# Allegro board LED_FIN.brd (continued)
## Placement (name value [footprint] x y rotation side) (continued)
D1019  0603_LED  [0603_SINGLE]  93.25 326 0 top
D1020  0603_LED  [0603_SINGLE]  95.25 326 0 top
D1021  0603_LED  [0603_SINGLE]  37.25 324 0 top
D1022  0603_LED  [0603_SINGLE]  39.25 324 0 top
D1023  0603_LED  [0603_SINGLE]  41.25 324 0 top
D1024  0603_LED  [0603_SINGLE]  43.25 324 0 top
D1025  0603_LED  [0603_SINGLE]  45.25 324 0 top
D1026  0603_LED  [0603_SINGLE]  47.25 324 0 top
D1027  0603_LED  [0603_SINGLE]  49.25 324 0 top
D1028  0603_LED  [0603_SINGLE]  51.25 324 0 top
D1029  0603_LED  [0603_SINGLE]  53.25 324 0 top
D1030  0603_LED  [0603_SINGLE]  55.25 324 0 top
D1031  0603_LED  [0603_SINGLE]  57.25 324 0 top
D1032  0603_LED  [0603_SINGLE]  59.25 324 0 top
D1033  0603_LED  [0603_SINGLE]  61.25 324 0 top
D1034  0603_LED  [0603_SINGLE]  63.25 324 0 top
D1035  0603_LED  [0603_SINGLE]  65.25 324 0 top
D1036  0603_LED  [0603_SINGLE]  67.25 324 0 top
D1037  0603_LED  [0603_SINGLE]  69.25 324 0 top
D1038  0603_LED  [0603_SINGLE]  71.25 324 0 top
D1039  0603_LED  [0603_SINGLE]  73.25 324 0 top
D1040  0603_LED  [0603_SINGLE]  75.25 324 0 top
D1041  0603_LED  [0603_SINGLE]  77.25 324 0 top
D1042  0603_LED  [0603_SINGLE]  79.25 324 0 top
D1043  0603_LED  [0603_SINGLE]  81.25 324 0 top
D1044  0603_LED  [0603_SINGLE]  83.25 324 0 top
D1045  0603_LED  [0603_SINGLE]  85.25 324 0 top
D1046  0603_LED  [0603_SINGLE]  87.25 324 0 top
D1047  0603_LED  [0603_SINGLE]  89.25 324 0 top
D1048  0603_LED  [0603_SINGLE]  91.25 324 0 top
D1049  0603_LED  [0603_SINGLE]  93.25 324 0 top
D1050  0603_LED  [0603_SINGLE]  95.25 324 0 top
D1051  0603_LED  [0603_SINGLE]  37.25 322 0 top
D1052  0603_LED  [0603_SINGLE]  39.25 322 0 top
D1053  0603_LED  [0603_SINGLE]  41.25 322 0 top
D1054  0603_LED  [0603_SINGLE]  43.25 322 0 top
D1055  0603_LED  [0603_SINGLE]  45.25 322 0 top
D1056  0603_LED  [0603_SINGLE]  47.25 322 0 top
D1057  0603_LED  [0603_SINGLE]  49.25 322 0 top
D1058  0603_LED  [0603_SINGLE]  51.25 322 0 top
D1059  0603_LED  [0603_SINGLE]  53.25 322 0 top
D1060  0603_LED  [0603_SINGLE]  55.25 322 0 top
D1061  0603_LED  [0603_SINGLE]  57.25 322 0 top
D1062  0603_LED  [0603_SINGLE]  59.25 322 0 top
D1063  0603_LED  [0603_SINGLE]  61.25 322 0 top
D1064  0603_LED  [0603_SINGLE]  63.25 322 0 top
D1065  0603_LED  [0603_SINGLE]  65.25 322 0 top
D1066  0603_LED  [0603_SINGLE]  67.25 322 0 top
D1067  0603_LED  [0603_SINGLE]  69.25 322 0 top
D1068  0603_LED  [0603_SINGLE]  71.25 322 0 top
D1069  0603_LED  [0603_SINGLE]  73.25 322 0 top
D1070  0603_LED  [0603_SINGLE]  75.25 322 0 top
D1071  0603_LED  [0603_SINGLE]  77.25 322 0 top
D1072  0603_LED  [0603_SINGLE]  79.25 322 0 top
D1073  0603_LED  [0603_SINGLE]  81.25 322 0 top
D1074  0603_LED  [0603_SINGLE]  83.25 322 0 top
D1075  0603_LED  [0603_SINGLE]  85.25 322 0 top
D1076  0603_LED  [0603_SINGLE]  87.25 322 0 top
D1077  0603_LED  [0603_SINGLE]  89.25 322 0 top
D1078  0603_LED  [0603_SINGLE]  91.25 322 0 top
D1079  0603_LED  [0603_SINGLE]  93.25 322 0 top
D1080  0603_LED  [0603_SINGLE]  95.25 322 0 top
D1081  0603_LED  [0603_SINGLE]  37.25 320 0 top
D1082  0603_LED  [0603_SINGLE]  39.25 320 0 top
D1083  0603_LED  [0603_SINGLE]  41.25 320 0 top
D1084  0603_LED  [0603_SINGLE]  43.25 320 0 top
D1085  0603_LED  [0603_SINGLE]  45.25 320 0 top
D1086  0603_LED  [0603_SINGLE]  47.25 320 0 top
D1087  0603_LED  [0603_SINGLE]  49.25 320 0 top
D1088  0603_LED  [0603_SINGLE]  51.25 320 0 top
D1089  0603_LED  [0603_SINGLE]  53.25 320 0 top
D1090  0603_LED  [0603_SINGLE]  55.25 320 0 top
D1091  0603_LED  [0603_SINGLE]  57.25 320 0 top
D1092  0603_LED  [0603_SINGLE]  59.25 320 0 top
D1093  0603_LED  [0603_SINGLE]  61.25 320 0 top
D1094  0603_LED  [0603_SINGLE]  63.25 320 0 top
D1095  0603_LED  [0603_SINGLE]  65.25 320 0 top
D1096  0603_LED  [0603_SINGLE]  67.25 320 0 top
D1097  0603_LED  [0603_SINGLE]  69.25 320 0 top
D1098  0603_LED  [0603_SINGLE]  71.25 320 0 top
D1099  0603_LED  [0603_SINGLE]  73.25 320 0 top
D1100  0603_LED  [0603_SINGLE]  75.25 320 0 top
D1101  0603_LED  [0603_SINGLE]  77.25 320 0 top
D1102  0603_LED  [0603_SINGLE]  79.25 320 0 top
D1103  0603_LED  [0603_SINGLE]  81.25 320 0 top
D1104  0603_LED  [0603_SINGLE]  83.25 320 0 top
D1105  0603_LED  [0603_SINGLE]  85.25 320 0 top
D1106  0603_LED  [0603_SINGLE]  87.25 320 0 top
D1107  0603_LED  [0603_SINGLE]  89.25 320 0 top
D1108  0603_LED  [0603_SINGLE]  91.25 320 0 top
D1109  0603_LED  [0603_SINGLE]  93.25 320 0 top
D1110  0603_LED  [0603_SINGLE]  95.25 320 0 top
D1111  0603_LED  [0603_SINGLE]  37.25 318 0 top
D1112  0603_LED  [0603_SINGLE]  39.25 318 0 top
D1113  0603_LED  [0603_SINGLE]  41.25 318 0 top
D1114  0603_LED  [0603_SINGLE]  43.25 318 0 top
D1115  0603_LED  [0603_SINGLE]  45.25 318 0 top
D1116  0603_LED  [0603_SINGLE]  47.25 318 0 top
D1117  0603_LED  [0603_SINGLE]  49.25 318 0 top
D1118  0603_LED  [0603_SINGLE]  51.25 318 0 top
D1119  0603_LED  [0603_SINGLE]  53.25 318 0 top
D1120  0603_LED  [0603_SINGLE]  55.25 318 0 top
D1121  0603_LED  [0603_SINGLE]  57.25 318 0 top
D1122  0603_LED  [0603_SINGLE]  59.25 318 0 top
D1123  0603_LED  [0603_SINGLE]  61.25 318 0 top
D1124  0603_LED  [0603_SINGLE]  63.25 318 0 top
D1125  0603_LED  [0603_SINGLE]  65.25 318 0 top
D1126  0603_LED  [0603_SINGLE]  67.25 318 0 top
D1127  0603_LED  [0603_SINGLE]  69.25 318 0 top
D1128  0603_LED  [0603_SINGLE]  71.25 318 0 top
D1129  0603_LED  [0603_SINGLE]  73.25 318 0 top
D1130  0603_LED  [0603_SINGLE]  75.25 318 0 top
D1131  0603_LED  [0603_SINGLE]  77.25 318 0 top
D1132  0603_LED  [0603_SINGLE]  79.25 318 0 top
D1133  0603_LED  [0603_SINGLE]  81.25 318 0 top
D1134  0603_LED  [0603_SINGLE]  83.25 318 0 top
D1135  0603_LED  [0603_SINGLE]  85.25 318 0 top
D1136  0603_LED  [0603_SINGLE]  87.25 318 0 top
D1137  0603_LED  [0603_SINGLE]  89.25 318 0 top
D1138  0603_LED  [0603_SINGLE]  91.25 318 0 top
D1139  0603_LED  [0603_SINGLE]  93.25 318 0 top
D1140  0603_LED  [0603_SINGLE]  95.25 318 0 top
D1141  0603_LED  [0603_SINGLE]  97.25 392 0 top
D1142  0603_LED  [0603_SINGLE]  99.25 392 0 top
D1143  0603_LED  [0603_SINGLE]  101.25 392 0 top
D1144  0603_LED  [0603_SINGLE]  103.25 392 0 top
D1145  0603_LED  [0603_SINGLE]  105.25 392 0 top
D1146  0603_LED  [0603_SINGLE]  107.25 392 0 top
D1147  0603_LED  [0603_SINGLE]  109.25 392 0 top
D1148  0603_LED  [0603_SINGLE]  111.25 392 0 top
D1149  0603_LED  [0603_SINGLE]  113.25 392 0 top
D1150  0603_LED  [0603_SINGLE]  115.25 392 0 top
D1151  0603_LED  [0603_SINGLE]  117.25 392 0 top
D1152  0603_LED  [0603_SINGLE]  119.25 392 0 top
D1153  0603_LED  [0603_SINGLE]  121.25 392 0 top
D1154  0603_LED  [0603_SINGLE]  123.25 392 0 top
D1155  0603_LED  [0603_SINGLE]  125.25 392 0 top
D1156  0603_LED  [0603_SINGLE]  127.25 392 0 top
D1157  0603_LED  [0603_SINGLE]  129.25 392 0 top
D1158  0603_LED  [0603_SINGLE]  131.25 392 0 top
D1159  0603_LED  [0603_SINGLE]  133.25 392 0 top
D1160  0603_LED  [0603_SINGLE]  135.25 392 0 top
D1161  0603_LED  [0603_SINGLE]  137.25 392 0 top
D1162  0603_LED  [0603_SINGLE]  139.25 392 0 top
D1163  0603_LED  [0603_SINGLE]  141.25 392 0 top
D1164  0603_LED  [0603_SINGLE]  143.25 392 0 top
D1165  0603_LED  [0603_SINGLE]  145.25 392 0 top
D1166  0603_LED  [0603_SINGLE]  147.25 392 0 top
D1167  0603_LED  [0603_SINGLE]  149.25 392 0 top
D1168  0603_LED  [0603_SINGLE]  151.25 392 0 top
D1169  0603_LED  [0603_SINGLE]  153.25 392 0 top
D1170  0603_LED  [0603_SINGLE]  155.25 392 0 top
D1171  0603_LED  [0603_SINGLE]  97.25 390 0 top
D1172  0603_LED  [0603_SINGLE]  99.25 390 0 top
D1173  0603_LED  [0603_SINGLE]  101.25 390 0 top
D1174  0603_LED  [0603_SINGLE]  103.25 390 0 top
D1175  0603_LED  [0603_SINGLE]  105.25 390 0 top
D1176  0603_LED  [0603_SINGLE]  107.25 390 0 top
D1177  0603_LED  [0603_SINGLE]  109.25 390 0 top
D1178  0603_LED  [0603_SINGLE]  111.25 390 0 top
D1179  0603_LED  [0603_SINGLE]  113.25 390 0 top
D1180  0603_LED  [0603_SINGLE]  115.25 390 0 top
D1181  0603_LED  [0603_SINGLE]  117.25 390 0 top
D1182  0603_LED  [0603_SINGLE]  119.25 390 0 top
D1183  0603_LED  [0603_SINGLE]  121.25 390 0 top
D1184  0603_LED  [0603_SINGLE]  123.25 390 0 top
D1185  0603_LED  [0603_SINGLE]  125.25 390 0 top
D1186  0603_LED  [0603_SINGLE]  127.25 390 0 top
D1187  0603_LED  [0603_SINGLE]  129.25 390 0 top
D1188  0603_LED  [0603_SINGLE]  131.25 390 0 top
D1189  0603_LED  [0603_SINGLE]  133.25 390 0 top
D1190  0603_LED  [0603_SINGLE]  135.25 390 0 top
D1191  0603_LED  [0603_SINGLE]  137.25 390 0 top
D1192  0603_LED  [0603_SINGLE]  139.25 390 0 top
D1193  0603_LED  [0603_SINGLE]  141.25 390 0 top
D1194  0603_LED  [0603_SINGLE]  143.25 390 0 top
D1195  0603_LED  [0603_SINGLE]  145.25 390 0 top
D1196  0603_LED  [0603_SINGLE]  147.25 390 0 top
D1197  0603_LED  [0603_SINGLE]  149.25 390 0 top
D1198  0603_LED  [0603_SINGLE]  151.25 390 0 top
D1199  0603_LED  [0603_SINGLE]  153.25 390 0 top
D1200  0603_LED  [0603_SINGLE]  155.25 390 0 top
D1201  0603_LED  [0603_SINGLE]  97.25 388 0 top
D1202  0603_LED  [0603_SINGLE]  99.25 388 0 top
D1203  0603_LED  [0603_SINGLE]  101.25 388 0 top
D1204  0603_LED  [0603_SINGLE]  103.25 388 0 top
D1205  0603_LED  [0603_SINGLE]  105.25 388 0 top
D1206  0603_LED  [0603_SINGLE]  107.25 388 0 top
D1207  0603_LED  [0603_SINGLE]  109.25 388 0 top
D1208  0603_LED  [0603_SINGLE]  111.25 388 0 top
D1209  0603_LED  [0603_SINGLE]  113.25 388 0 top
D1210  0603_LED  [0603_SINGLE]  115.25 388 0 top
D1211  0603_LED  [0603_SINGLE]  117.25 388 0 top
D1212  0603_LED  [0603_SINGLE]  119.25 388 0 top
D1213  0603_LED  [0603_SINGLE]  121.25 388 0 top
D1214  0603_LED  [0603_SINGLE]  123.25 388 0 top
D1215  0603_LED  [0603_SINGLE]  125.25 388 0 top
D1216  0603_LED  [0603_SINGLE]  127.25 388 0 top
D1217  0603_LED  [0603_SINGLE]  129.25 388 0 top
D1218  0603_LED  [0603_SINGLE]  131.25 388 0 top
D1219  0603_LED  [0603_SINGLE]  133.25 388 0 top
D1220  0603_LED  [0603_SINGLE]  135.25 388 0 top
D1221  0603_LED  [0603_SINGLE]  137.25 388 0 top
D1222  0603_LED  [0603_SINGLE]  139.25 388 0 top
D1223  0603_LED  [0603_SINGLE]  141.25 388 0 top
D1224  0603_LED  [0603_SINGLE]  143.25 388 0 top
D1225  0603_LED  [0603_SINGLE]  145.25 388 0 top
D1226  0603_LED  [0603_SINGLE]  147.25 388 0 top
D1227  0603_LED  [0603_SINGLE]  149.25 388 0 top
D1228  0603_LED  [0603_SINGLE]  151.25 388 0 top
D1229  0603_LED  [0603_SINGLE]  153.25 388 0 top
D1230  0603_LED  [0603_SINGLE]  155.25 388 0 top
D1231  0603_LED  [0603_SINGLE]  97.25 386 0 top
D1232  0603_LED  [0603_SINGLE]  99.25 386 0 top
D1233  0603_LED  [0603_SINGLE]  101.25 386 0 top
D1234  0603_LED  [0603_SINGLE]  103.25 386 0 top
D1235  0603_LED  [0603_SINGLE]  105.25 386 0 top
D1236  0603_LED  [0603_SINGLE]  107.25 386 0 top
D1237  0603_LED  [0603_SINGLE]  109.25 386 0 top
D1238  0603_LED  [0603_SINGLE]  111.25 386 0 top
D1239  0603_LED  [0603_SINGLE]  113.25 386 0 top
D1240  0603_LED  [0603_SINGLE]  115.25 386 0 top
D1241  0603_LED  [0603_SINGLE]  117.25 386 0 top
D1242  0603_LED  [0603_SINGLE]  119.25 386 0 top
D1243  0603_LED  [0603_SINGLE]  121.25 386 0 top
D1244  0603_LED  [0603_SINGLE]  123.25 386 0 top
D1245  0603_LED  [0603_SINGLE]  125.25 386 0 top
D1246  0603_LED  [0603_SINGLE]  127.25 386 0 top
D1247  0603_LED  [0603_SINGLE]  129.25 386 0 top
D1248  0603_LED  [0603_SINGLE]  131.25 386 0 top
D1249  0603_LED  [0603_SINGLE]  133.25 386 0 top
D1250  0603_LED  [0603_SINGLE]  135.25 386 0 top
D1251  0603_LED  [0603_SINGLE]  137.25 386 0 top
D1252  0603_LED  [0603_SINGLE]  139.25 386 0 top
D1253  0603_LED  [0603_SINGLE]  141.25 386 0 top
D1254  0603_LED  [0603_SINGLE]  143.25 386 0 top
D1255  0603_LED  [0603_SINGLE]  145.25 386 0 top
D1256  0603_LED  [0603_SINGLE]  147.25 386 0 top
D1257  0603_LED  [0603_SINGLE]  149.25 386 0 top
D1258  0603_LED  [0603_SINGLE]  151.25 386 0 top
D1259  0603_LED  [0603_SINGLE]  153.25 386 0 top
D1260  0603_LED  [0603_SINGLE]  155.25 386 0 top
D1261  0603_LED  [0603_SINGLE]  97.25 384 0 top
D1262  0603_LED  [0603_SINGLE]  99.25 384 0 top
D1263  0603_LED  [0603_SINGLE]  101.25 384 0 top
D1264  0603_LED  [0603_SINGLE]  103.25 384 0 top
D1265  0603_LED  [0603_SINGLE]  105.25 384 0 top
D1266  0603_LED  [0603_SINGLE]  107.25 384 0 top
D1267  0603_LED  [0603_SINGLE]  109.25 384 0 top
D1268  0603_LED  [0603_SINGLE]  111.25 384 0 top
D1269  0603_LED  [0603_SINGLE]  113.25 384 0 top
D1270  0603_LED  [0603_SINGLE]  115.25 384 0 top
D1271  0603_LED  [0603_SINGLE]  117.25 384 0 top
D1272  0603_LED  [0603_SINGLE]  119.25 384 0 top
D1273  0603_LED  [0603_SINGLE]  121.25 384 0 top
D1274  0603_LED  [0603_SINGLE]  123.25 384 0 top
D1275  0603_LED  [0603_SINGLE]  125.25 384 0 top
D1276  0603_LED  [0603_SINGLE]  127.25 384 0 top
D1277  0603_LED  [0603_SINGLE]  129.25 384 0 top
D1278  0603_LED  [0603_SINGLE]  131.25 384 0 top
D1279  0603_LED  [0603_SINGLE]  133.25 384 0 top
D1280  0603_LED  [0603_SINGLE]  135.25 384 0 top
D1281  0603_LED  [0603_SINGLE]  137.25 384 0 top
D1282  0603_LED  [0603_SINGLE]  139.25 384 0 top
D1283  0603_LED  [0603_SINGLE]  141.25 384 0 top
D1284  0603_LED  [0603_SINGLE]  143.25 384 0 top
D1285  0603_LED  [0603_SINGLE]  145.25 384 0 top
D1286  0603_LED  [0603_SINGLE]  147.25 384 0 top
D1287  0603_LED  [0603_SINGLE]  149.25 384 0 top
D1288  0603_LED  [0603_SINGLE]  151.25 384 0 top
D1289  0603_LED  [0603_SINGLE]  153.25 384 0 top
D1290  0603_LED  [0603_SINGLE]  155.25 384 0 top
D1291  0603_LED  [0603_SINGLE]  97.25 382 0 top
D1292  0603_LED  [0603_SINGLE]  99.25 382 0 top
D1293  0603_LED  [0603_SINGLE]  101.25 382 0 top
D1294  0603_LED  [0603_SINGLE]  103.25 382 0 top
D1295  0603_LED  [0603_SINGLE]  105.25 382 0 top
D1296  0603_LED  [0603_SINGLE]  107.25 382 0 top
D1297  0603_LED  [0603_SINGLE]  109.25 382 0 top
D1298  0603_LED  [0603_SINGLE]  111.25 382 0 top
D1299  0603_LED  [0603_SINGLE]  113.25 382 0 top
D1300  0603_LED  [0603_SINGLE]  115.25 382 0 top
D1301  0603_LED  [0603_SINGLE]  117.25 382 0 top
D1302  0603_LED  [0603_SINGLE]  119.25 382 0 top
D1303  0603_LED  [0603_SINGLE]  121.25 382 0 top
D1304  0603_LED  [0603_SINGLE]  123.25 382 0 top
D1305  0603_LED  [0603_SINGLE]  125.25 382 0 top
D1306  0603_LED  [0603_SINGLE]  127.25 382 0 top
D1307  0603_LED  [0603_SINGLE]  129.25 382 0 top
D1308  0603_LED  [0603_SINGLE]  131.25 382 0 top
D1309  0603_LED  [0603_SINGLE]  133.25 382 0 top
D1310  0603_LED  [0603_SINGLE]  135.25 382 0 top
D1311  0603_LED  [0603_SINGLE]  137.25 382 0 top
D1312  0603_LED  [0603_SINGLE]  139.25 382 0 top
D1313  0603_LED  [0603_SINGLE]  141.25 382 0 top
D1314  0603_LED  [0603_SINGLE]  143.25 382 0 top
D1315  0603_LED  [0603_SINGLE]  145.25 382 0 top
D1316  0603_LED  [0603_SINGLE]  147.25 382 0 top
D1317  0603_LED  [0603_SINGLE]  149.25 382 0 top
D1318  0603_LED  [0603_SINGLE]  151.25 382 0 top
D1319  0603_LED  [0603_SINGLE]  153.25 382 0 top
D1320  0603_LED  [0603_SINGLE]  155.25 382 0 top
D1321  0603_LED  [0603_SINGLE]  97.25 380 0 top
D1322  0603_LED  [0603_SINGLE]  99.25 380 0 top
D1323  0603_LED  [0603_SINGLE]  101.25 380 0 top
D1324  0603_LED  [0603_SINGLE]  103.25 380 0 top
D1325  0603_LED  [0603_SINGLE]  105.25 380 0 top
D1326  0603_LED  [0603_SINGLE]  107.25 380 0 top
D1327  0603_LED  [0603_SINGLE]  109.25 380 0 top
D1328  0603_LED  [0603_SINGLE]  111.25 380 0 top
D1329  0603_LED  [0603_SINGLE]  113.25 380 0 top
D1330  0603_LED  [0603_SINGLE]  115.25 380 0 top
D1331  0603_LED  [0603_SINGLE]  117.25 380 0 top
D1332  0603_LED  [0603_SINGLE]  119.25 380 0 top
D1333  0603_LED  [0603_SINGLE]  121.25 380 0 top
D1334  0603_LED  [0603_SINGLE]  123.25 380 0 top
D1335  0603_LED  [0603_SINGLE]  125.25 380 0 top
D1336  0603_LED  [0603_SINGLE]  127.25 380 0 top
D1337  0603_LED  [0603_SINGLE]  129.25 380 0 top
D1338  0603_LED  [0603_SINGLE]  131.25 380 0 top
D1339  0603_LED  [0603_SINGLE]  133.25 380 0 top
D1340  0603_LED  [0603_SINGLE]  135.25 380 0 top
D1341  0603_LED  [0603_SINGLE]  137.25 380 0 top
D1342  0603_LED  [0603_SINGLE]  139.25 380 0 top
D1343  0603_LED  [0603_SINGLE]  141.25 380 0 top
D1344  0603_LED  [0603_SINGLE]  143.25 380 0 top
D1345  0603_LED  [0603_SINGLE]  145.25 380 0 top
D1346  0603_LED  [0603_SINGLE]  147.25 380 0 top
D1347  0603_LED  [0603_SINGLE]  149.25 380 0 top
D1348  0603_LED  [0603_SINGLE]  151.25 380 0 top
D1349  0603_LED  [0603_SINGLE]  153.25 380 0 top
D1350  0603_LED  [0603_SINGLE]  155.25 380 0 top
D1351  0603_LED  [0603_SINGLE]  97.25 378 0 top
D1352  0603_LED  [0603_SINGLE]  99.25 378 0 top
D1353  0603_LED  [0603_SINGLE]  101.25 378 0 top
D1354  0603_LED  [0603_SINGLE]  103.25 378 0 top
D1355  0603_LED  [0603_SINGLE]  105.25 378 0 top
D1356  0603_LED  [0603_SINGLE]  107.25 378 0 top
D1357  0603_LED  [0603_SINGLE]  109.25 378 0 top
D1358  0603_LED  [0603_SINGLE]  111.25 378 0 top
D1359  0603_LED  [0603_SINGLE]  113.25 378 0 top
D1360  0603_LED  [0603_SINGLE]  115.25 378 0 top
D1361  0603_LED  [0603_SINGLE]  117.25 378 0 top
D1362  0603_LED  [0603_SINGLE]  119.25 378 0 top
D1363  0603_LED  [0603_SINGLE]  121.25 378 0 top
D1364  0603_LED  [0603_SINGLE]  123.25 378 0 top
D1365  0603_LED  [0603_SINGLE]  125.25 378 0 top
D1366  0603_LED  [0603_SINGLE]  127.25 378 0 top
D1367  0603_LED  [0603_SINGLE]  129.25 378 0 top
D1368  0603_LED  [0603_SINGLE]  131.25 378 0 top
D1369  0603_LED  [0603_SINGLE]  133.25 378 0 top
D1370  0603_LED  [0603_SINGLE]  135.25 378 0 top
D1371  0603_LED  [0603_SINGLE]  137.25 378 0 top
D1372  0603_LED  [0603_SINGLE]  139.25 378 0 top
D1373  0603_LED  [0603_SINGLE]  141.25 378 0 top
D1374  0603_LED  [0603_SINGLE]  143.25 378 0 top
D1375  0603_LED  [0603_SINGLE]  145.25 378 0 top
D1376  0603_LED  [0603_SINGLE]  147.25 378 0 top
D1377  0603_LED  [0603_SINGLE]  149.25 378 0 top
D1378  0603_LED  [0603_SINGLE]  151.25 378 0 top
D1379  0603_LED  [0603_SINGLE]  153.25 378 0 top
D1380  0603_LED  [0603_SINGLE]  155.25 378 0 top
D1381  0603_LED  [0603_SINGLE]  97.25 376 0 top
D1382  0603_LED  [0603_SINGLE]  99.25 376 0 top
D1383  0603_LED  [0603_SINGLE]  101.25 376 0 top
D1384  0603_LED  [0603_SINGLE]  103.25 376 0 top
D1385  0603_LED  [0603_SINGLE]  105.25 376 0 top
D1386  0603_LED  [0603_SINGLE]  107.25 376 0 top
D1387  0603_LED  [0603_SINGLE]  109.25 376 0 top
D1388  0603_LED  [0603_SINGLE]  111.25 376 0 top
D1389  0603_LED  [0603_SINGLE]  113.25 376 0 top
D1390  0603_LED  [0603_SINGLE]  115.25 376 0 top
D1391  0603_LED  [0603_SINGLE]  117.25 376 0 top
D1392  0603_LED  [0603_SINGLE]  119.25 376 0 top
D1393  0603_LED  [0603_SINGLE]  121.25 376 0 top
D1394  0603_LED  [0603_SINGLE]  123.25 376 0 top
D1395  0603_LED  [0603_SINGLE]  125.25 376 0 top
D1396  0603_LED  [0603_SINGLE]  127.25 376 0 top
D1397  0603_LED  [0603_SINGLE]  129.25 376 0 top
D1398  0603_LED  [0603_SINGLE]  131.25 376 0 top
D1399  0603_LED  [0603_SINGLE]  133.25 376 0 top
D1400  0603_LED  [0603_SINGLE]  135.25 376 0 top
D1401  0603_LED  [0603_SINGLE]  137.25 376 0 top
D1402  0603_LED  [0603_SINGLE]  139.25 376 0 top
D1403  0603_LED  [0603_SINGLE]  141.25 376 0 top
D1404  0603_LED  [0603_SINGLE]  143.25 376 0 top
D1405  0603_LED  [0603_SINGLE]  145.25 376 0 top
D1406  0603_LED  [0603_SINGLE]  147.25 376 0 top
D1407  0603_LED  [0603_SINGLE]  149.25 376 0 top
D1408  0603_LED  [0603_SINGLE]  151.25 376 0 top
D1409  0603_LED  [0603_SINGLE]  153.25 376 0 top
D1410  0603_LED  [0603_SINGLE]  155.25 376 0 top
D1411  0603_LED  [0603_SINGLE]  97.25 374 0 top
D1412  0603_LED  [0603_SINGLE]  99.25 374 0 top
D1413  0603_LED  [0603_SINGLE]  101.25 374 0 top
D1414  0603_LED  [0603_SINGLE]  103.25 374 0 top
D1415  0603_LED  [0603_SINGLE]  105.25 374 0 top
D1416  0603_LED  [0603_SINGLE]  107.25 374 0 top
D1417  0603_LED  [0603_SINGLE]  109.25 374 0 top
D1418  0603_LED  [0603_SINGLE]  111.25 374 0 top
D1419  0603_LED  [0603_SINGLE]  113.25 374 0 top
D1420  0603_LED  [0603_SINGLE]  115.25 374 0 top
D1421  0603_LED  [0603_SINGLE]  117.25 374 0 top
D1422  0603_LED  [0603_SINGLE]  119.25 374 0 top
D1423  0603_LED  [0603_SINGLE]  121.25 374 0 top
D1424  0603_LED  [0603_SINGLE]  123.25 374 0 top
D1425  0603_LED  [0603_SINGLE]  125.25 374 0 top
D1426  0603_LED  [0603_SINGLE]  127.25 374 0 top
D1427  0603_LED  [0603_SINGLE]  129.25 374 0 top
D1428  0603_LED  [0603_SINGLE]  131.25 374 0 top
D1429  0603_LED  [0603_SINGLE]  133.25 374 0 top
D1430  0603_LED  [0603_SINGLE]  135.25 374 0 top
D1431  0603_LED  [0603_SINGLE]  137.25 374 0 top
D1432  0603_LED  [0603_SINGLE]  139.25 374 0 top
D1433  0603_LED  [0603_SINGLE]  141.25 374 0 top
D1434  0603_LED  [0603_SINGLE]  143.25 374 0 top
D1435  0603_LED  [0603_SINGLE]  145.25 374 0 top
D1436  0603_LED  [0603_SINGLE]  147.25 374 0 top
D1437  0603_LED  [0603_SINGLE]  149.25 374 0 top
D1438  0603_LED  [0603_SINGLE]  151.25 374 0 top
D1439  0603_LED  [0603_SINGLE]  153.25 374 0 top
D1440  0603_LED  [0603_SINGLE]  155.25 374 0 top
D1441  0603_LED  [0603_SINGLE]  97.25 372 0 top
D1442  0603_LED  [0603_SINGLE]  99.25 372 0 top
D1443  0603_LED  [0603_SINGLE]  101.25 372 0 top
D1444  0603_LED  [0603_SINGLE]  103.25 372 0 top
D1445  0603_LED  [0603_SINGLE]  105.25 372 0 top
D1446  0603_LED  [0603_SINGLE]  107.25 372 0 top
D1447  0603_LED  [0603_SINGLE]  109.25 372 0 top
D1448  0603_LED  [0603_SINGLE]  111.25 372 0 top
D1449  0603_LED  [0603_SINGLE]  113.25 372 0 top
D1450  0603_LED  [0603_SINGLE]  115.25 372 0 top
D1451  0603_LED  [0603_SINGLE]  117.25 372 0 top
D1452  0603_LED  [0603_SINGLE]  119.25 372 0 top
D1453  0603_LED  [0603_SINGLE]  121.25 372 0 top
D1454  0603_LED  [0603_SINGLE]  123.25 372 0 top
D1455  0603_LED  [0603_SINGLE]  125.25 372 0 top
D1456  0603_LED  [0603_SINGLE]  127.25 372 0 top
D1457  0603_LED  [0603_SINGLE]  129.25 372 0 top
D1458  0603_LED  [0603_SINGLE]  131.25 372 0 top
D1459  0603_LED  [0603_SINGLE]  133.25 372 0 top
D1460  0603_LED  [0603_SINGLE]  135.25 372 0 top
D1461  0603_LED  [0603_SINGLE]  137.25 372 0 top
D1462  0603_LED  [0603_SINGLE]  139.25 372 0 top
D1463  0603_LED  [0603_SINGLE]  141.25 372 0 top
D1464  0603_LED  [0603_SINGLE]  143.25 372 0 top
D1465  0603_LED  [0603_SINGLE]  145.25 372 0 top
D1466  0603_LED  [0603_SINGLE]  147.25 372 0 top
D1467  0603_LED  [0603_SINGLE]  149.25 372 0 top
D1468  0603_LED  [0603_SINGLE]  151.25 372 0 top
D1469  0603_LED  [0603_SINGLE]  153.25 372 0 top
D1470  0603_LED  [0603_SINGLE]  155.25 372 0 top
D1471  0603_LED  [0603_SINGLE]  97.25 370 0 top
D1472  0603_LED  [0603_SINGLE]  99.25 370 0 top
D1473  0603_LED  [0603_SINGLE]  101.25 370 0 top
D1474  0603_LED  [0603_SINGLE]  103.25 370 0 top
D1475  0603_LED  [0603_SINGLE]  105.25 370 0 top
D1476  0603_LED  [0603_SINGLE]  107.25 370 0 top
D1477  0603_LED  [0603_SINGLE]  109.25 370 0 top
D1478  0603_LED  [0603_SINGLE]  111.25 370 0 top
D1479  0603_LED  [0603_SINGLE]  113.25 370 0 top
D1480  0603_LED  [0603_SINGLE]  115.25 370 0 top
D1481  0603_LED  [0603_SINGLE]  117.25 370 0 top
D1482  0603_LED  [0603_SINGLE]  119.25 370 0 top
D1483  0603_LED  [0603_SINGLE]  121.25 370 0 top
D1484  0603_LED  [0603_SINGLE]  123.25 370 0 top
D1485  0603_LED  [0603_SINGLE]  125.25 370 0 top
D1486  0603_LED  [0603_SINGLE]  127.25 370 0 top
D1487  0603_LED  [0603_SINGLE]  129.25 370 0 top
D1488  0603_LED  [0603_SINGLE]  131.25 370 0 top
D1489  0603_LED  [0603_SINGLE]  133.25 370 0 top
D1490  0603_LED  [0603_SINGLE]  135.25 370 0 top
D1491  0603_LED  [0603_SINGLE]  137.25 370 0 top
D1492  0603_LED  [0603_SINGLE]  139.25 370 0 top
D1493  0603_LED  [0603_SINGLE]  141.25 370 0 top
D1494  0603_LED  [0603_SINGLE]  143.25 370 0 top
D1495  0603_LED  [0603_SINGLE]  145.25 370 0 top
D1496  0603_LED  [0603_SINGLE]  147.25 370 0 top
D1497  0603_LED  [0603_SINGLE]  149.25 370 0 top
D1498  0603_LED  [0603_SINGLE]  151.25 370 0 top
D1499  0603_LED  [0603_SINGLE]  153.25 370 0 top
D1500  0603_LED  [0603_SINGLE]  155.25 370 0 top
D1501  0603_LED  [0603_SINGLE]  97.25 368 0 top
D1502  0603_LED  [0603_SINGLE]  99.25 368 0 top
D1503  0603_LED  [0603_SINGLE]  101.25 368 0 top
D1504  0603_LED  [0603_SINGLE]  103.25 368 0 top
D1505  0603_LED  [0603_SINGLE]  105.25 368 0 top
D1506  0603_LED  [0603_SINGLE]  107.25 368 0 top
D1507  0603_LED  [0603_SINGLE]  109.25 368 0 top
D1508  0603_LED  [0603_SINGLE]  111.25 368 0 top
D1509  0603_LED  [0603_SINGLE]  113.25 368 0 top
D1510  0603_LED  [0603_SINGLE]  115.25 368 0 top
D1511  0603_LED  [0603_SINGLE]  117.25 368 0 top
D1512  0603_LED  [0603_SINGLE]  119.25 368 0 top
D1513  0603_LED  [0603_SINGLE]  121.25 368 0 top
D1514  0603_LED  [0603_SINGLE]  123.25 368 0 top
D1515  0603_LED  [0603_SINGLE]  125.25 368 0 top
D1516  0603_LED  [0603_SINGLE]  127.25 368 0 top
D1517  0603_LED  [0603_SINGLE]  129.25 368 0 top
D1518  0603_LED  [0603_SINGLE]  131.25 368 0 top
D1519  0603_LED  [0603_SINGLE]  133.25 368 0 top
D1520  0603_LED  [0603_SINGLE]  135.25 368 0 top
D1521  0603_LED  [0603_SINGLE]  137.25 368 0 top
D1522  0603_LED  [0603_SINGLE]  139.25 368 0 top
D1523  0603_LED  [0603_SINGLE]  141.25 368 0 top
D1524  0603_LED  [0603_SINGLE]  143.25 368 0 top
D1525  0603_LED  [0603_SINGLE]  145.25 368 0 top
D1526  0603_LED  [0603_SINGLE]  147.25 368 0 top
D1527  0603_LED  [0603_SINGLE]  149.25 368 0 top
D1528  0603_LED  [0603_SINGLE]  151.25 368 0 top
D1529  0603_LED  [0603_SINGLE]  153.25 368 0 top